# Altium PCB mppt.PcbDoc (part 2 of 3)
Units mil, origin at the board's own origin, x right, y up, seen from the top; angles counter-clockwise.
Board outline 6145 x 4875 mil, 4 copper layers (Top Layer, Layer 1, Layer 2, Bottom Layer), stack 23.756 mil thick; 257 components, 119 nets, 666 pads, 154 vias.
Unrouted connection lines stored in the file: 1.
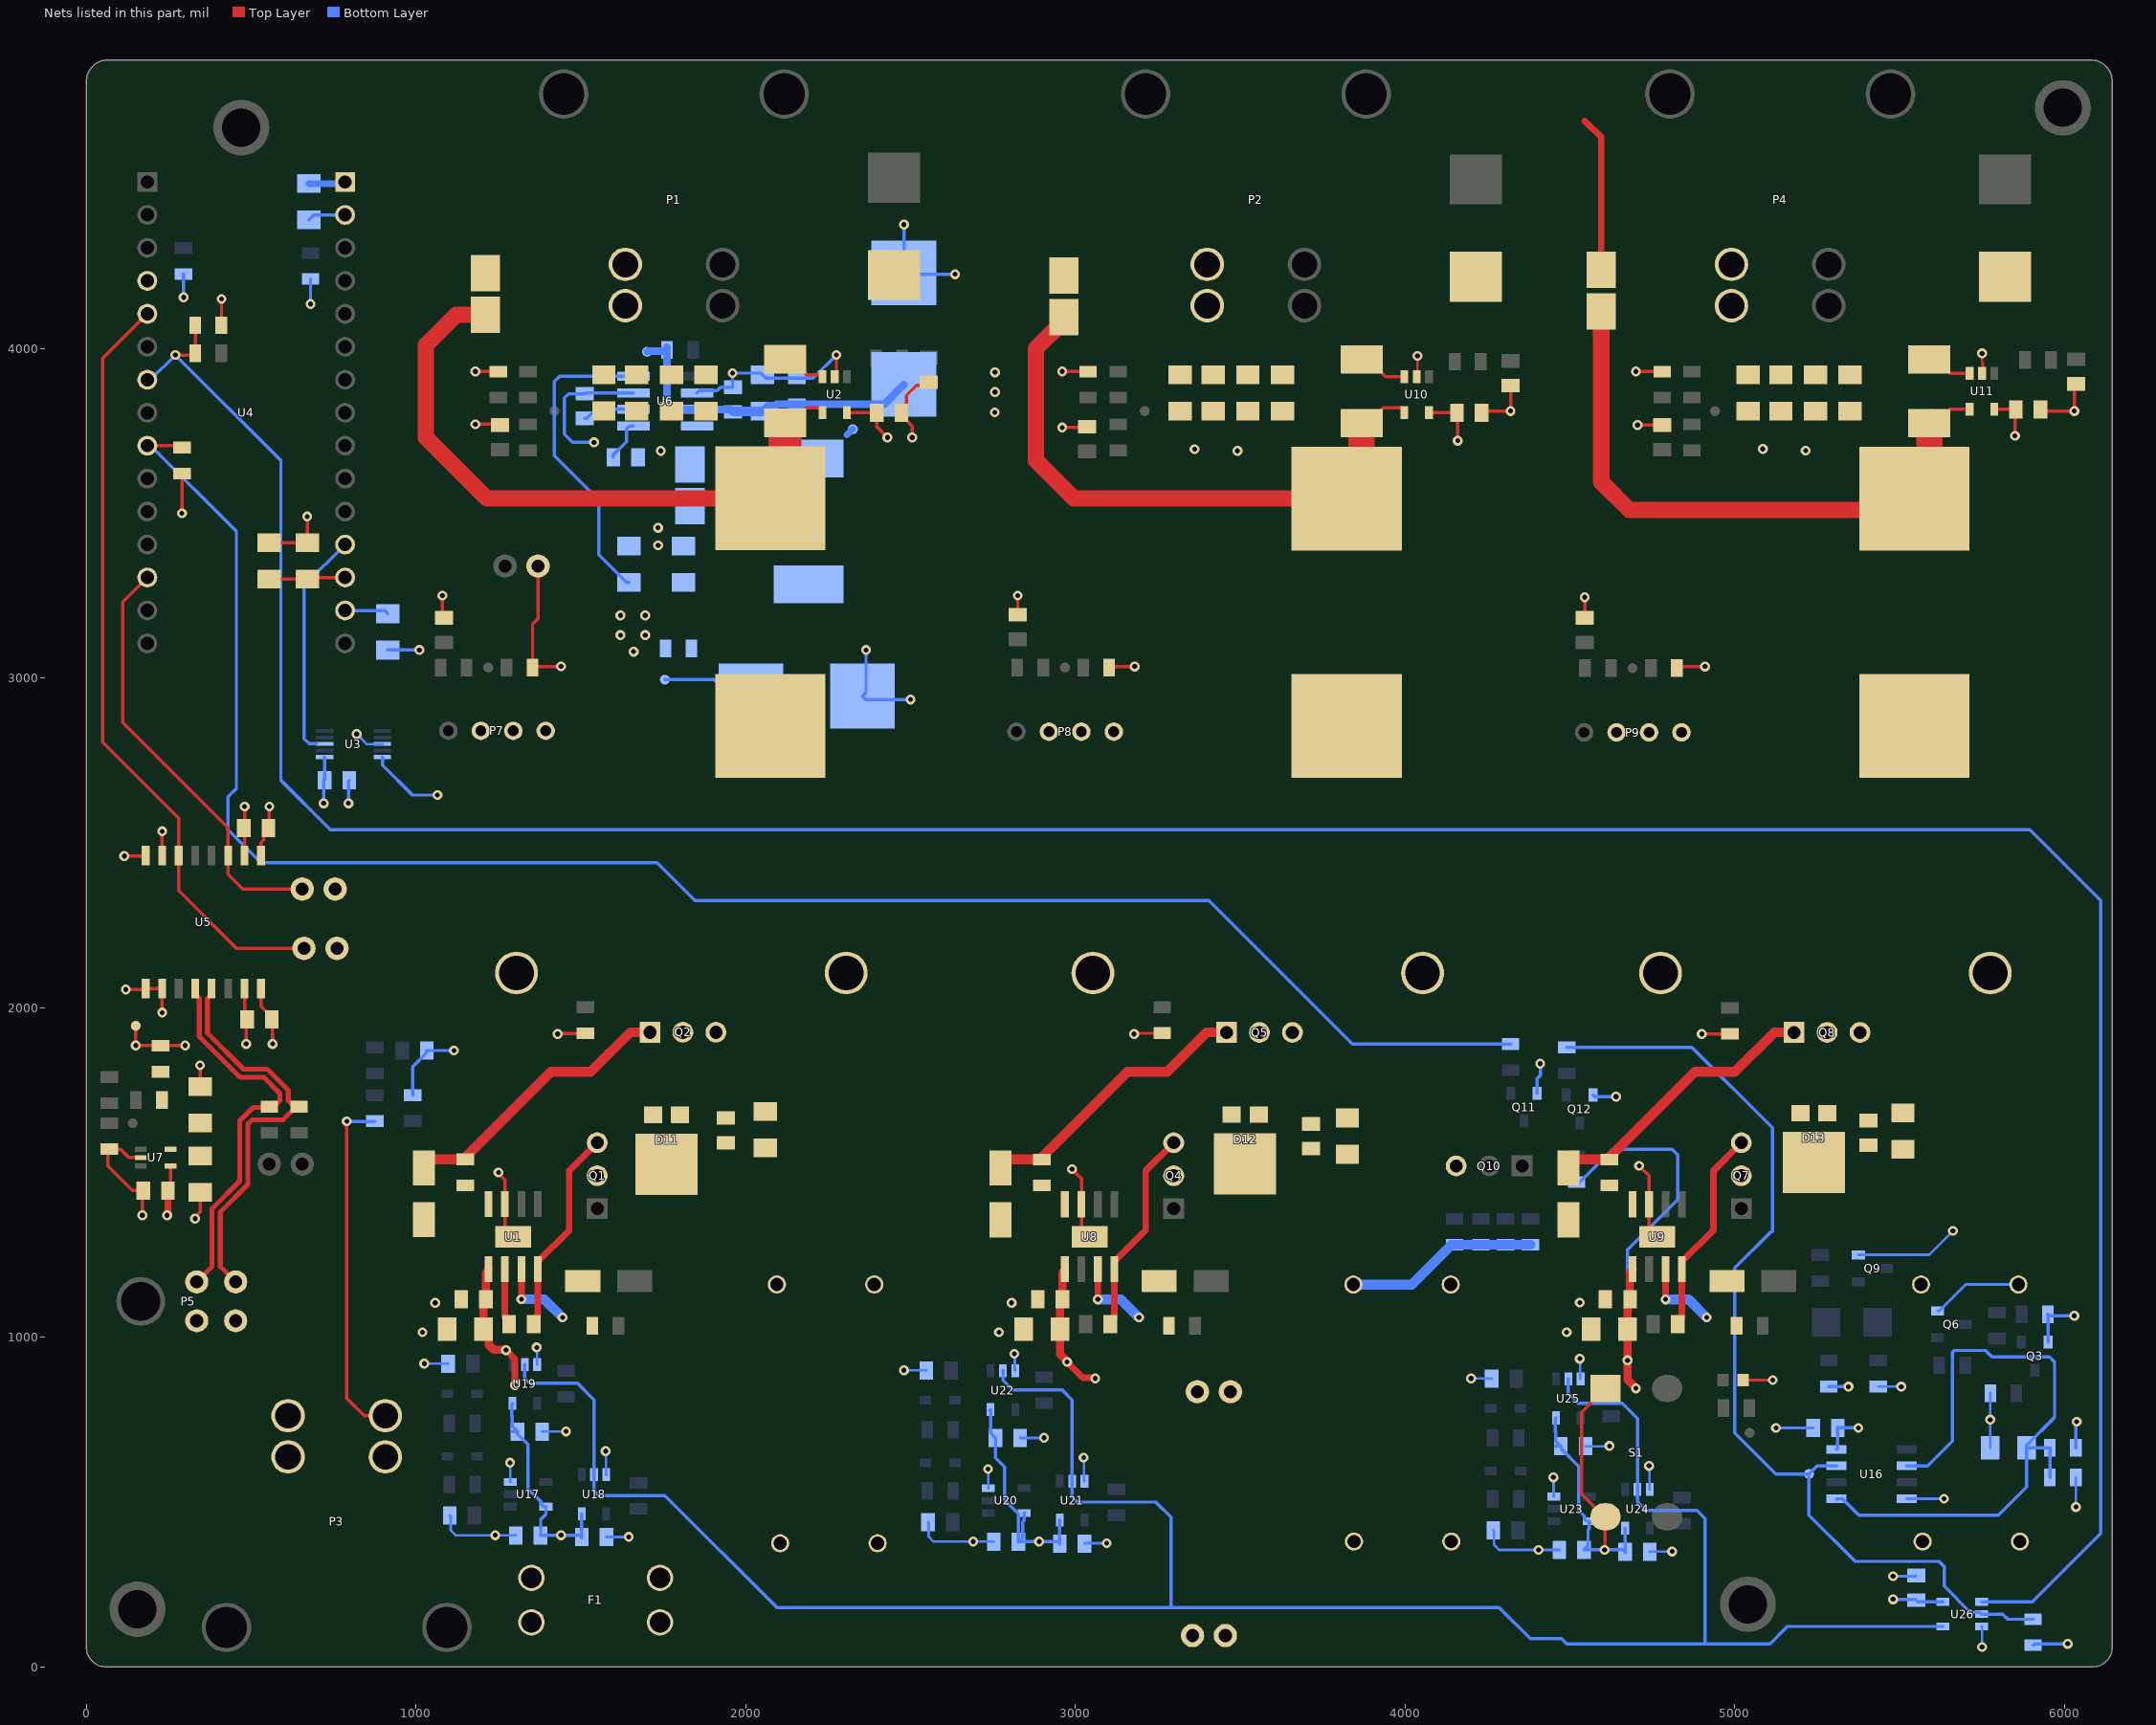
[diagram p4: the nets of this part, all layers, seen from the top]

## Part data (continued)
D3 D4 D5 D6: "Diode Schottky 200V 3A 2-Pin BGA MICROSTAR JUNIOR", Average Rectified Current=3A, Case/Package=SMB, Forward Voltage=900mV, Manufacturer="ON Semiconductor / Fairchild", Max Forward Surge Current (Ifsm)=80A, Max Operating Temperature=150°C, Max Repetitive Reverse Voltage (Vrrm)=200V, Max Reverse Current=7uA, Min Operating Temperature=-65°C, Package Quantity=3000, Supplier Part Number 1=S320FSCT-ND, Category="Schottky Diodes", ComponentLink1Description=https://datasheet.ciiva.com/4713/s320-100128-4713817.pdf?src-supplier=Mouser, ComponentLink1URL=https://datasheet.ciiva.com/4713/s320-100128-4713817.pdf?src-supplier=Mouser, ComponentLink2Description=https://datasheet.ciiva.com/8301/s320-8301072.pdf?src-supplier=Avnet, ComponentLink2URL=https://datasheet.ciiva.com/8301/s320-8301072.pdf?src-supplier=Avnet, ComponentLink3Description=https://datasheet.ciiva.com/30479/0900766b81185cf0-30479383.pdf?src-supplier=RSComponents, ComponentLink3URL=https://datasheet.ciiva.com/30479/0900766b81185cf0-30479383.pdf?src-supplier=RSComponents, ComponentLink4Description=https://datasheet.ciiva.com/22651/1774731-22651976.pdf?src-supplier=Element14, ComponentLink4URL=https://datasheet.ciiva.com/22651/1774731-22651976.pdf?src-supplier=Element14, ComponentLink5Description=https://datasheet.ciiva.com/23683/1725732-23683476.pdf?src-supplier=Newark, ComponentLink5URL=https://datasheet.ciiva.com/23683/1725732-23683476.pdf?src-supplier=Newark, ComponentLink6Description=https://datasheet.ciiva.com/6380/s320-6380887.pdf?src-supplier=Digi-Key, ComponentLink6URL=https://datasheet.ciiva.com/6380/s320-6380887.pdf?src-supplier=Digi-Key, ComponentLink7Description=https://datasheet.ciiva.com/6380/s320-6380889.pdf?src-supplier=Digi-Key, ComponentLink7URL=https://datasheet.ciiva.com/6380/s320-6380889.pdf?src-supplier=Digi-Key, ComponentLink8Description=https://datasheet.ciiva.com/6380/s320-6380891.pdf?src-supplier=Digi-Key, ComponentLink8URL=https://datasheet.ciiva.com/6380/s320-6380891.pdf?src-supplier=Digi-Key, Contact Plating=Tin,Matte, Element Configuration=Single, Forward Current=3A, Height=2.45mm, Lead Free="Lead Free", Length=4.75mm, Manufacturer Part Number=S320, Max Reverse Voltage (DC)=200V, Max Surge Current=80A, Mount="Surface Mount", Number of Pins=2, Packaging="Tape and Reel", Peak Non-Repetitive Surge Current=80A, Pricing 1="1=0.84000, 10=0.74300, 100=0.56990, 500=0.45050, 1000=0.37188 (USD)", Radiation Hardening=No, REACH SVHC="No SVHC", Reverse Recovery Time=30ns, RoHS=Yes, RoHS Compliant=Yes, Series=-, Stock 1=26356, Supplier 1=Digi-Key, Weight=0.18g, Width=3.95mm
D11 D12 D13: "Rectifier Diode, Schottky, 1 Phase, 1 Element, 10A, 200V V(RRM), Silicon, TO-277A", Case Connection=CATHODE, Forward Voltage-Max (VF)=910mV, Manufacturer="Taiwan Semiconductor", Max Operating Temperature=150°C, Max Output Current=10A, Max Reverse Current=100uA, Min Operating Temperature=-55°C, Non-rep Pk Forward Current-Max=180A, Package Body Material=Plastic, Package Shape=Rectangular, Package Style="SMALL OUTLINEMeter", Rep Pk Reverse Voltage-Max=200V, Supplier Part Number 1=TSP10H200SS1GCT-ND, Application(s)=EFFICIENCY, ComponentLink1Description=https://datasheet.ciiva.com:443/pdfs/VipMasterIC/IC/TWSC/TWSC-S-A0001268809/TWSC-S-A0001268809-1.pdf?src-supplier=IHS+Markit, ComponentLink1URL=https://datasheet.ciiva.com:443/pdfs/VipMasterIC/IC/TWSC/TWSC-S-A0001268809/TWSC-S-A0001268809-1.pdf?src-supplier=IHS+Markit, ComponentLink2Description=http://www.taiwansemi.com/products/datasheet/TSP10H200S_D15.pdf?src-supplier=Digi-Key, ComponentLink2URL=http://www.taiwansemi.com/products/datasheet/TSP10H200S_D15.pdf?src-supplier=Digi-Key, Diode Element Material=SILICON, Diode Type=RECTIFIER, JEDEC-95 Code=TO-277A, JESD-30 Code=R-PDSO-F3, Manufacturer Part Number="TSP10H200S S1G", Number of Elements=1, Number of Phases=1, Number of Pins=3, Pricing 1="1=1.55000, 10=1.38500, 100=1.07980, 500=0.89202 (USD)", REACH SVHC="No SVHC", RoHS=Yes, RoHS Compliant=Yes, Stock 1=1333, Supplier 1=Digi-Key, Surface Mount=Yes, Technology=SCHOTTKY, Terminal Form=Flat, Terminal Position=DUAL
D14: library part BZG03C150-HM3-08, "Zener Diode, 150V V(Z), 6.12%, 1.25W, Silicon, Unidirectional, DO-214AC", Manufacturer=Vishay, Max Operating Temperature=150°C, Max Power Dissipation=1.25W, Package Body Material=Plastic, Package Shape=Rectangular, Package Style="SMALL OUTLINEMeter", Peak Reflow Temperature (Cel)=260°C, Supplier Part Number 1=BZG03C150-HM3-08GICT-ND, Test Current=5mA, Time @ Peak Reflow Temperature-Max (s)=30s, Voltage Tol-Max=6.12%, Additional Feature="HIGH RELIABILITY", Category="Zener Diodes", ComponentLink1Description=https://datasheet.ciiva.com:443/pdfs/VipMasterIC/IC/VISH/VISH-S-A0008998132/VISH-S-A0008998132-1.pdf?src-supplier=IHS+Markit, ComponentLink1URL=https://datasheet.ciiva.com:443/pdfs/VipMasterIC/IC/VISH/VISH-S-A0008998132/VISH-S-A0008998132-1.pdf?src-supplier=IHS+Markit, ComponentLink2Description=http://www.vishay.com/docs/86138/bzg03c-m-series.pdf?src-supplier=Digi-Key, ComponentLink2URL=http://www.vishay.com/docs/86138/bzg03c-m-series.pdf?src-supplier=Digi-Key, Diode Element Material=SILICON, Diode Type=ZENER, JEDEC-95 Code=DO-214AC, JESD-30 Code=R-PDSO-C2, JESD-609 Code=e3, Manufacturer Part Number=BZG03C150-HM3-08, Moisture Sensitivity Level=1, Number of Elements=1, Number of Pins=2, Polarity=Unidirectional, Pricing 1="1=0.55000, 10=0.47400, 100=0.35420, 500=0.27830 (USD)", REACH SVHC="No SVHC", Reference Standard=AEC-Q101, Reference Voltage-Nom=150V, RoHS=Yes, RoHS Compliant=Yes, Stock 1=4536, Supplier 1=Digi-Key, Surface Mount=Yes, Technology=ZENER, Terminal Finish=Tin, Terminal Form="C BEND", Terminal Position=DUAL
D15 D16 D17 D18 D19 D20: "DIODE GEN PURP 20V 350MA SOD323", Manufacturer="Diodes Incorporated", Manufacturer P/N=SD103CWS-7-F, Package / Case=SOD323, ComponentLink1Description=Digikey, ComponentLink1URL=https://www.digikey.com/product-detail/en/diodes-incorporated/SD103CWS-7-F/SD103CWS-FDIDKR-ND/1836772, ComponentLink2Description=Datasheet, ComponentLink2URL=https://www.diodes.com/assets/Datasheets/ds30101.pdf, ComponentLink3Description=Dimensions, ComponentLink3URL=https://www.diodes.com/assets/Package-Files/SOD323.pdf, Digikey P/N=SD103CWS-FDIDKR-ND
  D15 D17 D19: DNP=DNP
F1: "FUSE HOLDER MINI AUTO PC", Color=Black, Current Rating=20A, Flammability Rating="UL94 V-0", Manufacturer="Keystone Electronics", Max Operating Temperature=145°C, Min Operating Temperature=-50°C, Package Quantity=1, Supplier Part Number 1=3568K-ND, Voltage=500V, Approvals=UL, Body Material=Nylon, ComponentLink1Description=http://www.keyelco.com/userAssets/file/M60-2p40.pdf?src-supplier=Future+Electronics, ComponentLink1URL=http://www.keyelco.com/userAssets/file/M60-2p40.pdf?src-supplier=Future+Electronics, ComponentLink2Description=https://www.alliedelec.com/m/d/15b4f09b8ba48c4b08efedd730709c21.pdf?src-supplier=Allied+Electronics, ComponentLink2URL=https://www.alliedelec.com/m/d/15b4f09b8ba48c4b08efedd730709c21.pdf?src-supplier=Allied+Electronics, Contact Material=Brass,Tin, Contact Plating=Tin, Depth=6.73mm, Fuse Current=20A, Fuse Type=Automotive, Illumination Type=Illuminated, Lead Free="Lead Free", Length=16mm, Manufacturer Part Number=3568, Material=Brass,Tin,Nylon, Mount=PCB,Vertical, Number of Circuits=1, Number of Poles=1, Orientation=Vertical, REACH SVHC="No SVHC", Stock 1=0, Supplier 1=Digi-Key, Termination="PC Pin", Voltage Rating (AC)=500V
HS1 HS2 HS3: "TO-220/218 Packages 5.60 C/W Thermal Resistance Extruded Heat Sink", Case/Package=Radial, Color=Black, Manufacturer="Aavid Thermalloy", Natural Thermal Resistance=5.6°C/W, Package Quantity=500, Supplier Part Number 1=6396BG-ND, Thermal Resistance @ Forced Air Flow (100 LFM)=1.5°C/W, Category="Heat Sinks", ComponentLink1Description=https://datasheet.ciiva.com/15226/getdatasheetpartid-419829-15226549.pdf?src-supplier=Verical, ComponentLink1URL=https://datasheet.ciiva.com/15226/getdatasheetpartid-419829-15226549.pdf?src-supplier=Verical, ComponentLink2Description=https://datasheet.ciiva.com/1005/aavid-board-level-heatsinks-catalog-1005003.pdf?src-supplier=Digi-Key, ComponentLink2URL=https://datasheet.ciiva.com/1005/aavid-board-level-heatsinks-catalog-1005003.pdf?src-supplier=Digi-Key, Depth=25.4mm, Finish=Anodized, Height=25.4mm, Height Off Base=1inch, Lead Free="Lead Free", Length=41.91mm, Manufacturer Part Number=6396BG, Material=Aluminium, Mount="Bolt,PC Pin,Screw", Number of Pins=220, Pricing 1="1=1.68000, 10=1.59700, 25=1.55440, 50=1.51260, 100=1.42850, 250=1.34452, 500=1.26048, 1000=1.17645, 5000=1.13443 (USD)", Radiation Hardening=No, REACH SVHC="No SVHC", RoHS=Yes, RoHS Compliant=Yes, Shape=Fins,Rectangular, Stock 1=13758, Supplier 1=Digi-Key, Type=Passive, Width=41.91mm
L1 L3 L4: "Inductor, 100Uh, 11.2A, 20%, Shielded Rohs Compliant: Yes", Capacitance=10uF, Case/Package=0805, Current Rating=11.2A, DC Resistance (DCR)=22.9mR, Inductance=100uH, Manufacturer="Wurth Electronics", Max Operating Temperature=85°C, Min Operating Temperature=-55°C, Resistor Type=Wirewound, Saturation Current=9.4A, Self Resonant Frequency=4.3MHz, Supplier Part Number 1=732-11715-ND, Tolerance=10%, Voltage Rating=16V, ComponentLink1Description=http://www.farnell.com/datasheets/2579580.pdf?src-supplier=Farnell, ComponentLink1URL=http://www.farnell.com/datasheets/2579580.pdf?src-supplier=Farnell, ComponentLink2Description=https://katalog.we-online.de/pbs/datasheet/74437529203101.pdf?src-supplier=Digi-Key, ComponentLink2URL=https://katalog.we-online.de/pbs/datasheet/74437529203101.pdf?src-supplier=Digi-Key, Core Material=Ferrite, Manufacturer Part Number=74437529203101, Mount="Surface Mount", Packaging="Cut Tape", Pricing 1="1=9.16000, 50=8.03400, 100=7.17300, 270=6.52100 (USD)", RoHS=Yes, RoHS Compliant=Yes, Shielding=Shielded, Stock 1=995, Supplier 1=Digi-Key
L2: "Ind Power Shielded Wirewound 560uH 10% 1KHz 22Q-Factor Ferrite 880mA T/R", Case/Package=Nonstandard, Current Rating=880mA, DC Resistance (DCR)=1R, Inductance=560uH, Inductance Tolerance=10%, Manufacturer=Bourns, Max Operating Temperature=125°C, Min Operating Temperature=-40°C, Package Quantity=600, Ratings=AEC-Q200, Resistor Type=Wirewound, Saturation Current=800mA, Self Resonant Frequency=2.4MHz, Supplier Part Number 1=SRR1260A-561KCT-ND, Test Frequency=1kHz, Category="Fixed Inductors", ComponentLink1Description=https://datasheet.ciiva.com/41859/srr1260a-41859722.pdf?src-supplier=Digi-Key, ComponentLink1URL=https://datasheet.ciiva.com/41859/srr1260a-41859722.pdf?src-supplier=Digi-Key, ComponentLink2Description=https://datasheet.ciiva.com/48685/srr1260a-48685626.pdf?src-supplier=Avnet, ComponentLink2URL=https://datasheet.ciiva.com/48685/srr1260a-48685626.pdf?src-supplier=Avnet, Core Material=Ferrite, Depth=12.8mm, Height=6mm, Height - Seated (Max)=0.256inch, Length=0.492inch, Manufacturer Part Number=SRR1260A-561K, Max DC Current=880mA, Military Standard=Not, Mount="Surface Mount", Packaging="Cut Tape", Pricing 1="1=1.49000, 10=1.38400, 25=1.27760, 50=1.06460, 100=1.00070, 250=0.89420 (USD)", REACH SVHC="No SVHC", RMS Current (Irms)=880mA, RoHS=No, Shielding=Shielded, Stock 1=333, Supplier 1=Digi-Key, Tolerance=10%, Width=0.492inch
L5 L6 L7: "General Purpose Inductor, 10uH, 20%, 1 Element, SMD, 4040", Case/Size Code=4040, DC Resistance (DCR)=16.3mR, Inductance-Nom (L)=10uH, Inductor Application="HIGH CURRENT INDUCTOR", Inductor Type="GENERAL PURPOSE INDUCTOR", Manufacturer="Wurth Electronics", Max Operating Temperature=150°C, Min Operating Temperature=-40°C, Rated Current-Max=7.2A, Self Resonant Frequency=21MHz, Supplier Part Number 1=44W4636, Test Frequency=100kHz, Tolerance=20%, Category="Fixed Inductors", ComponentLink1Description=https://datasheet.ciiva.com:443/pdfs/VipMasterIC/IC/MIDC/MIDC-S-A0008052226/MIDC-S-A0007979781-1.pdf?src-supplier=IHS+Markit, ComponentLink1URL=https://datasheet.ciiva.com:443/pdfs/VipMasterIC/IC/MIDC/MIDC-S-A0008052226/MIDC-S-A0007979781-1.pdf?src-supplier=IHS+Markit, ComponentLink2Description=https://datasheet.ciiva.com/7765/1735793-7765047.pdf?src-supplier=Element14, ComponentLink2URL=https://datasheet.ciiva.com/7765/1735793-7765047.pdf?src-supplier=Element14, ComponentLink3Description=https://datasheet.ciiva.com/23782/1645931-23782486.pdf?src-supplier=Newark, ComponentLink3URL=https://datasheet.ciiva.com/23782/1645931-23782486.pdf?src-supplier=Newark, ComponentLink4Description=https://datasheet.ciiva.com/13276/7443251000-89504-13276904.pdf?src-supplier=Mouser, ComponentLink4URL=https://datasheet.ciiva.com/13276/7443251000-89504-13276904.pdf?src-supplier=Mouser, ComponentLink5Description=https://datasheet.ciiva.com/6692/7443251000-6692765.pdf?src-supplier=Digi-Key, ComponentLink5URL=https://datasheet.ciiva.com/6692/7443251000-6692765.pdf?src-supplier=Digi-Key, ComponentLink6Description=https://datasheet.ciiva.com/26308/7443251000-eng-tds-26308203.pdf?src-supplier=Distrelec, ComponentLink6URL=https://datasheet.ciiva.com/26308/7443251000-eng-tds-26308203.pdf?src-supplier=Distrelec, Manufacturer Part Number=7443251000, Manufacturer Series=7443251000, Number of Functions=1, Number of Pins=2, Pricing 1="1=4.81000, 10=4.73000, 25=4.57000, 50=4.40000, 100=4.23000, 250=4.00000 (USD)", REACH SVHC=Yes, RoHS=Yes, RoHS Compliant=Yes, Shape/Size Description="RECTANGULAR PACKAGE", Shielding=Unshielded, Stock 1=2125, Supplier 1=Newark, Surface Mount=Yes, Terminal Finish=Copper, Terminal Placement="Dual Ended", Termination="One Surface"
LED1: "Red 631nm LED Indication - Discrete 2V 0603 (1608 Metric)", Color=RED, Manufacturer="Lite-On Inc.", Manufacturer P/N=LTST-C190KRKT, Package / Case=0603, Digikey P/N=160-1436-1-ND
P1 P2 P3 P4: "Conn Power HDR 2 POS 7.49mm Solder RA Thru-Hole 4 Terminal 1 Port Sabre™ Tray", Color=Black, Contact Resistance=30mR, Current Rating=18A, Manufacturer=Molex, Max Operating Temperature=75°C, Min Operating Temperature=-40°C, Package Quantity=525, Supplier Part Number 1=WM13983-ND, Voltage Rating=600V, ComponentLink1Description=https://www.verical.com/server-webapp/html/getDatasheet?partID=198412&src-supplier=Verical, ComponentLink1URL=https://www.verical.com/server-webapp/html/getDatasheet?partID=198412&src-supplier=Verical, ComponentLink2Description=http://components.arrow.com/part/dataview/2942820S6220968N3303?src-supplier=Arrow, ComponentLink2URL=http://components.arrow.com/part/dataview/2942820S6220968N3303?src-supplier=Arrow, ComponentLink3Description=http://www.molex.com/pdm_docs/ps/PSX-43335-9999.pdf?src-supplier=Digi-Key, ComponentLink3URL=http://www.molex.com/pdm_docs/ps/PSX-43335-9999.pdf?src-supplier=Digi-Key, Contact Material=Brass, Contact Plating=Tin,Copper, Depth=19.79mm, Fastening Type=Ramp, Housing Color=Black, Housing Material=Nylon, Insulation Material=Nylon, Length=21.08mm, Manufacturer Part Number=0431605302, Mount="Through Hole", Number of Contacts=2, Number of Ports=1, Number of Positions=2, Number of Rows=1, Number of Terminals=4, Orientation="Right Angle", Packaging=Tray, Pitch=7.49mm, Stock 1=0, Supplier 1=Digi-Key, Termination=Solder
P5: "Male connector dual row 90° 3 mm Pole no. 2x2 Micro-Fit, 43045-0400, Molex", Color=Black, Contact Resistance=10mR, Flammability Rating="UL94 V-0", Manufacturer=Molex, Max Operating Temperature=105°C, Max Voltage Rating (AC)=250V, Min Operating Temperature=-40°C, Supplier Part Number 1=WM1814-ND, ComponentLink1Description=https://datasheet.ciiva.com/712/430450200-sd-712017.pdf?src-supplier=Digi-Key, ComponentLink1URL=https://datasheet.ciiva.com/712/430450200-sd-712017.pdf?src-supplier=Digi-Key, ComponentLink2Description=https://datasheet.ciiva.com/20209/22-3744e-20209522.pdf?src-supplier=Rapid+Electronics, ComponentLink2URL=https://datasheet.ciiva.com/20209/22-3744e-20209522.pdf?src-supplier=Rapid+Electronics, ComponentLink3Description=https://datasheet.ciiva.com/11746/0900766b80027348-11746988.pdf?src-supplier=RSComponents, ComponentLink3URL=https://datasheet.ciiva.com/11746/0900766b80027348-11746988.pdf?src-supplier=RSComponents, ComponentLink4Description=https://datasheet.ciiva.com/30193/145420430450400-pcb-headers-30193310.pdf?src-supplier=Onlinecomponents.com, ComponentLink4URL=https://datasheet.ciiva.com/30193/145420430450400-pcb-headers-30193310.pdf?src-supplier=Onlinecomponents.com, Connector Type="Male Pin", Contact Material=Brass, Contact Plating=Tin, Depth=12.2mm, Fastening Type=Ramp, Housing Color=Black, Housing Material=Polymer, Length=10.15mm, Manufacturer Part Number=43045-0400, Mount="Through Hole", Number of Contacts=4, Number of Positions=4, Number of Rows=2, Orientation="Right Angle", Packaging=Tray, Pitch=3mm, Pricing 1="1=1.33000, 10=1.16700, 100=1.00670, 500=0.82368, 1000=0.73216, 5000=0.64064, 10000=0.60861 (USD)", RoHS=Yes, Row Spacing=0.118inch, Stock 1=5904, Supplier 1=Digi-Key, Termination=Solder
P6 P10 P11 P12 P13 P14: "Header, 2-Pin", LatestRevisionDate=17-Jul-2002, LatestRevisionNote="Re-released for DXP Platform.", Publisher="Altium Limited"
P7 P8 P9: "JST-XH CONN HEADER VERT 4POS 2.5MM", Manufacturer="JST Sales America", Manufacturer P/N=B4B-XH-A(LF)(SN), Digikey Link=https://www.digikey.com/product-detail/en/jst-sales-america-inc/B4B-XH-A-LF-SN/455-2249-ND/1651047, Digikey P/N=455-2249-ND
Q1 Q2 Q4 Q5 Q7 Q8 Q10: "Single N-Channel 150 V 7.5 mOhm 70 nC OptiMOS Power Mosfet - TO-220-3", Case/Package=TO-220-3, Continuous Drain Current (ID)=100A, Drain to Source Breakdown Voltage=150V, Drain to Source Resistance=7.5mR, Gate to Source Voltage (Vgs)=20V, Input Capacitance=5.47nF, Manufacturer=Infineon, Max Operating Temperature=175°C, Max Power Dissipation=300W, Min Operating Temperature=-55°C, Package Quantity=500, Supplier Part Number 1=1702269, Threshold Voltage=3V, Category=MOSFETs, ComponentLink1Description=https://datasheet.ciiva.com/26944/ipp075n15n3g-26944675.pdf?src-supplier=IIIC, ComponentLink1URL=https://datasheet.ciiva.com/26944/ipp075n15n3g-26944675.pdf?src-supplier=IIIC, ComponentLink2Description=https://datasheet.ciiva.com/11172/infineon-ipp075n15n3-ds-v02-06-en-11172037.pdf?src-supplier=Avnet, ComponentLink2URL=https://datasheet.ciiva.com/11172/infineon-ipp075n15n3-ds-v02-06-en-11172037.pdf?src-supplier=Avnet, ComponentLink3Description=https://datasheet.ciiva.com/16486/infineon-ipp075n15n3-ds-v02-06-en-16486875.pdf?src-supplier=Avnet+Asia, ComponentLink3URL=https://datasheet.ciiva.com/16486/infineon-ipp075n15n3-ds-v02-06-en-16486875.pdf?src-supplier=Avnet+Asia, ComponentLink4Description=https://datasheet.ciiva.com/26130/infineon-ipp075n15n3-ds-v02-06-en-26130155.pdf?src-supplier=Avnet+Europe, ComponentLink4URL=https://datasheet.ciiva.com/26130/infineon-ipp075n15n3-ds-v02-06-en-26130155.pdf?src-supplier=Avnet+Europe, Current=100A, Drain to Source Voltage (Vdss)=150V, Element Configuration=Single, Fall Time=14ns, Halogen Free="Halogen Free", Height=9.45mm, Lead Free="Lead Free", Length=10.36mm, Manufacturer Part Number=IPP075N15N3GXKSA1, Number of Pins=3, Packaging=Rail/Tube, Power Dissipation=300W, Pricing 1="50=7.51200, 100=6.52800, 250=6.19000, 50=5.42300, 100=4.71300, 250=4.46900 (USD)", Radiation Hardening=No, Rds On Max=7.5mR, REACH SVHC="No SVHC", Rise Time=35ns, RoHS=Yes, Series=OptiMOS™, Stock 1=130, Supplier 1=RSComponents, Turn-Off Delay Time=46ns, Turn-On Delay Time=25ns, Voltage=150V, Width=4.57mm
  Q1 Q4 Q7: DNP=DNP
Q3: "Small Signal Bipolar Transistor, 0.5A I(C), 45V V(BR)CEO, 1-Element, PNP, Silicon, TO-236AB", Collector-emitter Voltage-Max=45V, DC Current Gain-Min (hFE)=160, Manufacturer=Nexperia, Manufacturer Part Number=BC807-25,215, Max Collector Current=500mA, Max Operating Temperature=150°C, Package Body Material=Plastic, Package Shape=Rectangular, Package Style="SMALL OUTLINEMeter", Peak Reflow Temperature (Cel)=260°C, Supplier Part Number 1=1038404, Time @ Peak Reflow Temperature-Max (s)=40s, Transition Frequency-Nom (fT)=100MHz, Category=BJTs, ComponentLink1Description=https://datasheet.ciiva.com:443/pdfs/VipMasterIC/IC/NEXP/NEXP-S-A0002885738/NEXP-S-A0002885738-1.pdf?src-supplier=IHS+Markit, ComponentLink1URL=https://datasheet.ciiva.com:443/pdfs/VipMasterIC/IC/NEXP/NEXP-S-A0002885738/NEXP-S-A0002885738-1.pdf?src-supplier=IHS+Markit, ComponentLink2Description=http://www.farnell.com/datasheets/665236.pdf?src-supplier=Farnell, ComponentLink2URL=http://www.farnell.com/datasheets/665236.pdf?src-supplier=Farnell, ComponentLink3Description=https://www.mouser.com/ds/2/302/BC807_BC807W_BC327_5-78985.pdf?src-supplier=Mouser, ComponentLink3URL=https://www.mouser.com/ds/2/302/BC807_BC807W_BC327_5-78985.pdf?src-supplier=Mouser, ComponentLink4Description=https://assets.nexperia.com/documents/data-sheet/BC807_BC807W_BC327.pdf?src-supplier=Digi-Key, ComponentLink4URL=https://assets.nexperia.com/documents/data-sheet/BC807_BC807W_BC327.pdf?src-supplier=Digi-Key, ComponentLink5Description=http://www.farnell.com/datasheets/665236.pdf?src-supplier=Newark, ComponentLink5URL=http://www.farnell.com/datasheets/665236.pdf?src-supplier=Newark, ComponentLink6Description=https://assets.nexperia.com/documents/data-sheet/BC807_BC807W_BC327.pdf?src-supplier=Digi-Key, ComponentLink6URL=https://assets.nexperia.com/documents/data-sheet/BC807_BC807W_BC327.pdf?src-supplier=Digi-Key, ComponentLink7Description=http://www.farnell.com/datasheets/665236.pdf?src-supplier=Newark, ComponentLink7URL=http://www.farnell.com/datasheets/665236.pdf?src-supplier=Newark, JEDEC-95 Code=TO-236AB, JESD-30 Code=R-PDSO-G3, JESD-609 Code=e3, Moisture Sensitivity Level=1, Number of Elements=1, Number of Pins=3, Polarity/Channel Type=PNP, Pricing 1="3000=0.02700, 6000=0.02600, 15000=0.02300, 30000=0.02300, 60000=0.02200 (USD)", Qualification Status="Not Qualified", REACH SVHC=Yes, RoHS=Yes, RoHS Compliant=Yes, Stock 1=9000, Supplier 1=RSComponents, Surface Mount=Yes, Terminal Finish=Tin, Terminal Form="Gull Wing", Terminal Position=DUAL, Transistor Application=SWITCHING, Transistor Element Material=SILICON, VCEsat-Max=700mV